# KiCad board ZSWatch-panelized.kicad_pcb (continued)
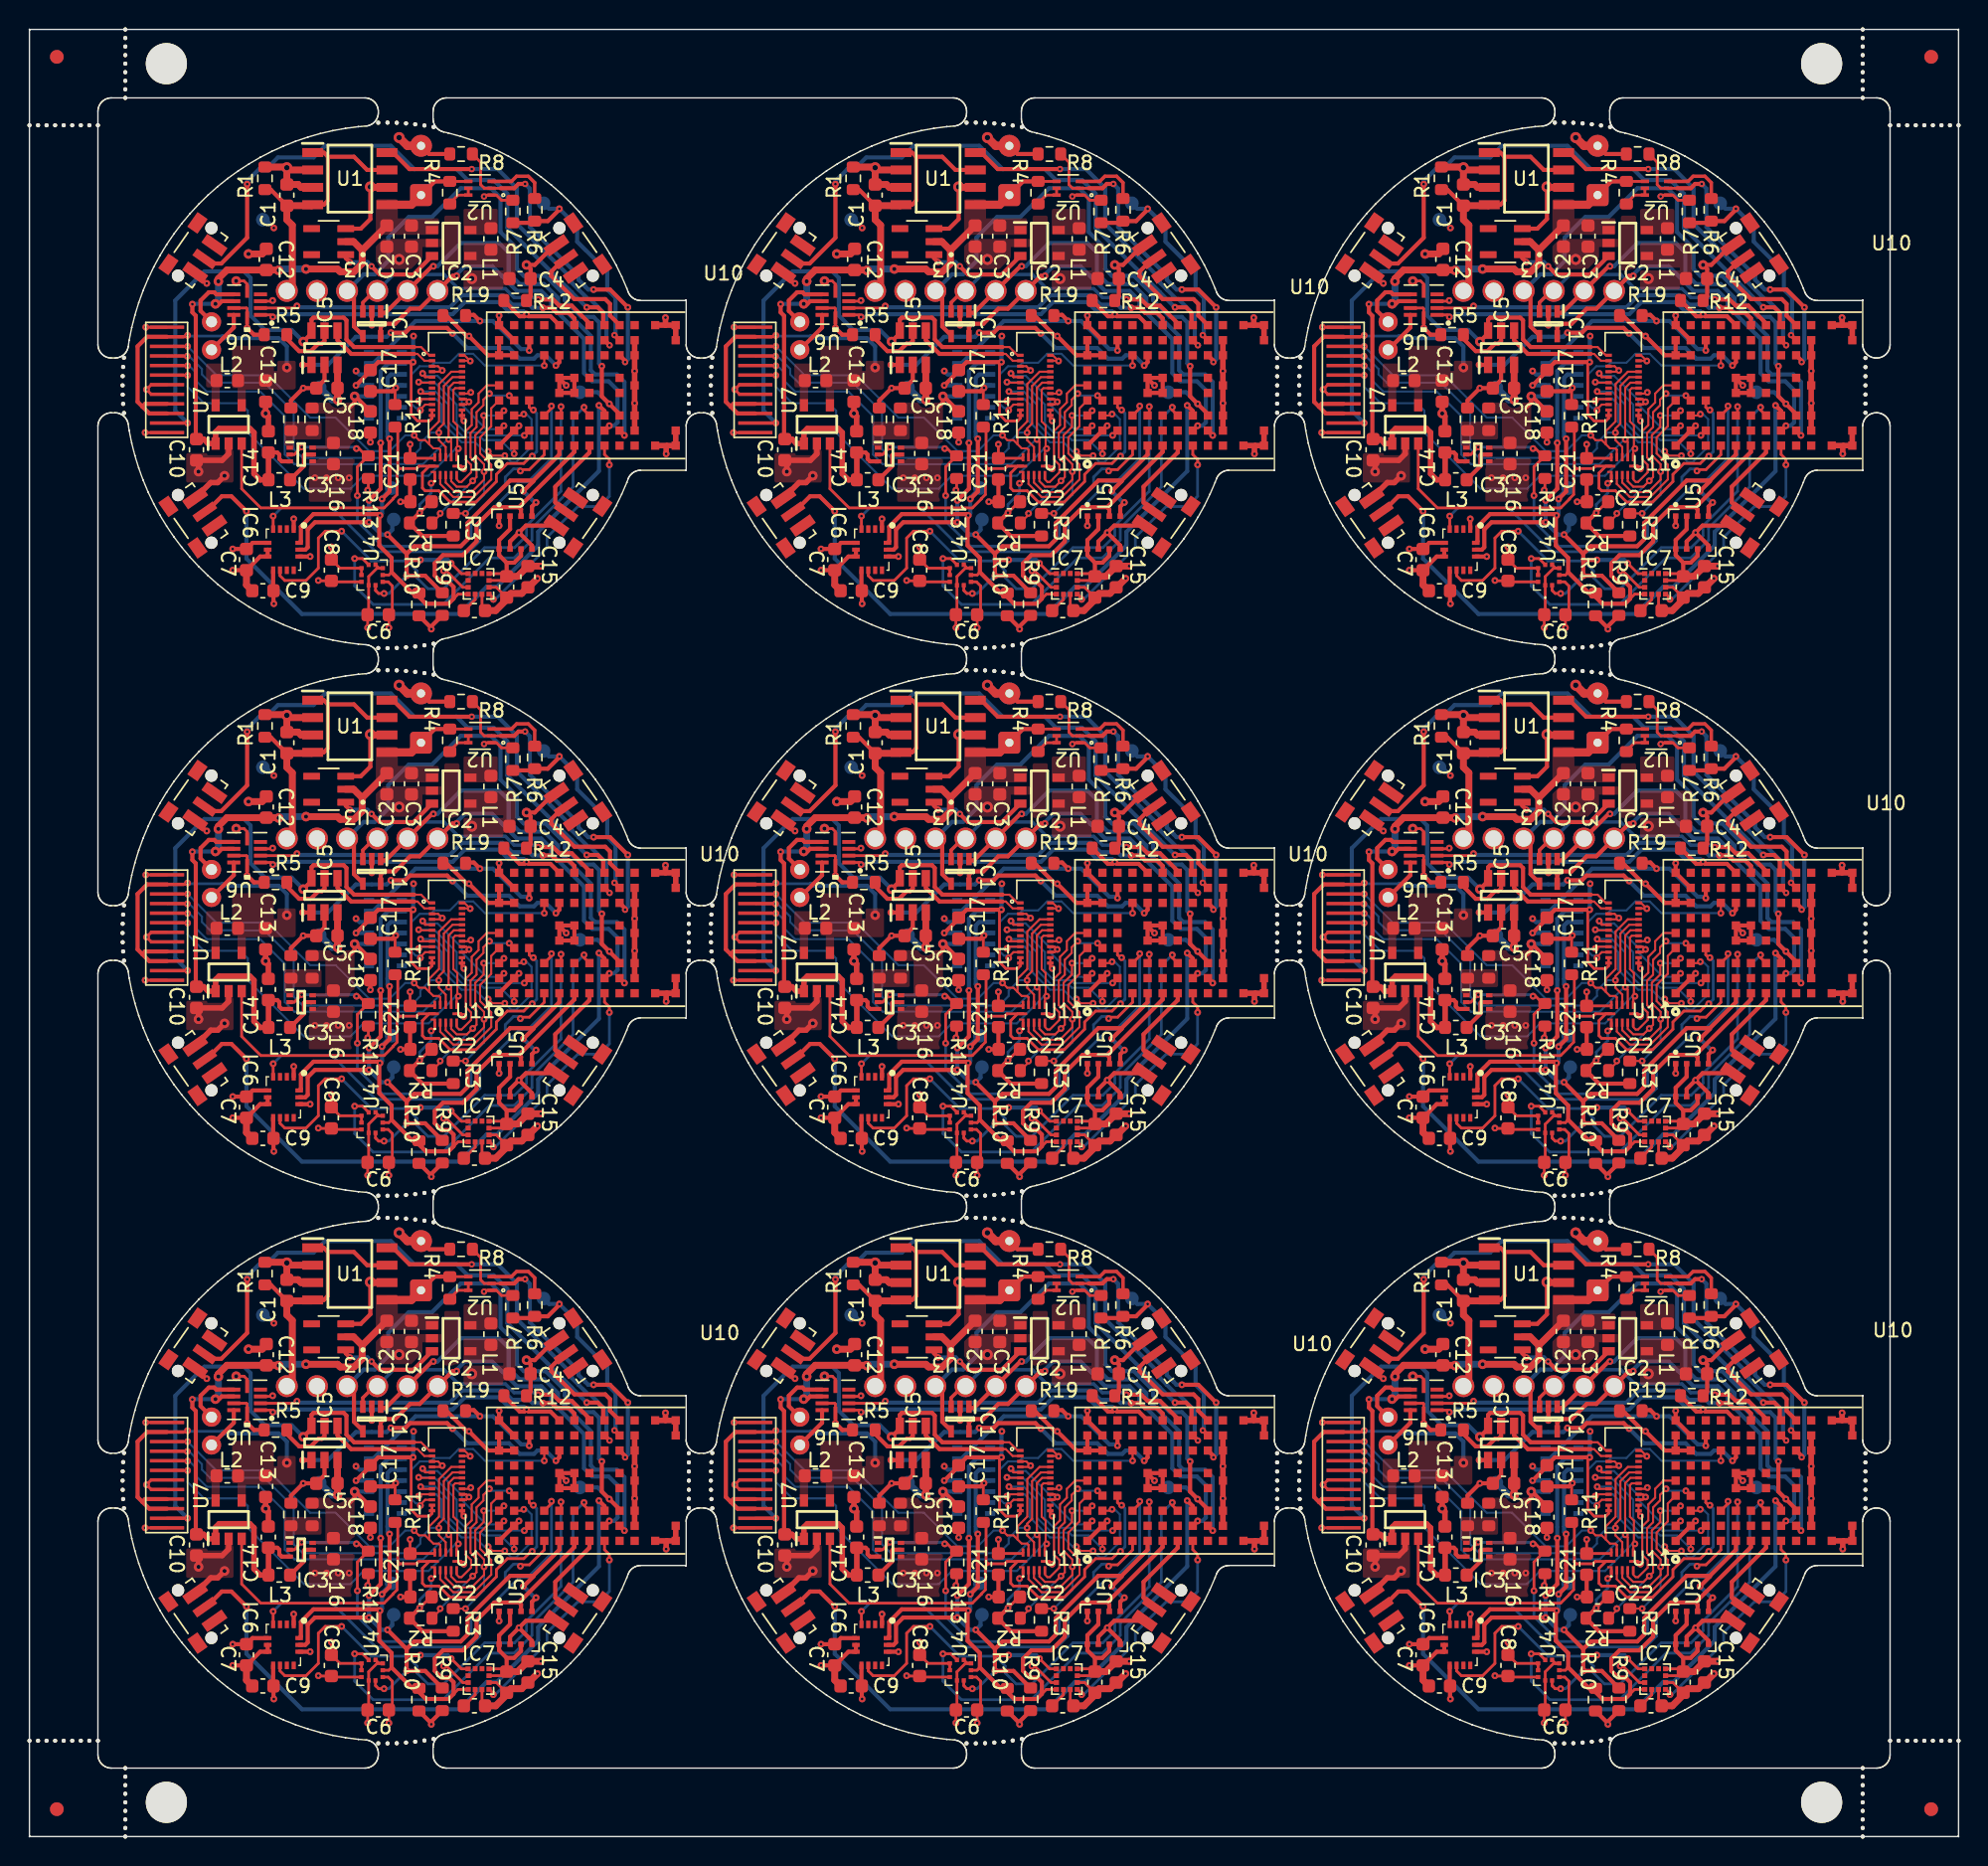
[diagram p0: board, top side]
## Routing (per net, layer and track width the routed paths; a pad name or vN(x,y) marks a point on that pad's centre or on a via; arc(x,y) is an arc through that point) (continued)
Board_2-+1V8: length 64
  Top w0.2: U4#8.10 108.04,91.65 C8.2 107.04,91.72 v1(107.02,91.75) ; 119.52,92.25 120.57,92.25 C19#6.2 120.47,91.75 119.52,91.75 ; 115.32,104.18 U13#3.12 115.32,103.6 115.12,103.4 114.27,103.4 113.8,103.87 113.8,107.56 v1(113.94,107.7) ; v1(116.17,92.45) 116.37,92.45 117.57,91.25 117.92,91.25 ; v1(115.26,98.85) 115.37,98.85 115.52,99 U11#7.1 ; U4#8.6 111.44,92.65 U4#8.5 111.3,92.65 110.69,92.04 U4#8.1 110.69,89.32 C6#8.1 v1(110.62,88.3) ; C22#5.2 115.22,97.5 v1(114.42,96.7)
  Top w0.3: v1(103.77,90.05) 103.74,90.07 C9#5.2 103.72,91.02 IC6#4.8 ; v1(113.94,107.7) 111.39,107.7 C17#4.2 110.82,107.05 v1(109.77,106) ; R3.2 114.62,95 R2#9.2 v1(114.42,96.7) ; U5#7.6 121.82,93.55 121.32,93.05 120.77,93.05 ; IC6#4.5 102.22,94.5 C7#9.1 v1(100.77,94.05) ; R10#3.2 115.27,88.27 v1(115.27,88.2) 115.27,88.4 R9#7.2 ; 120.77,93.05 C19#6.2 ; 120.77,93.05 120.22,93.6 U5#7.8 120.22,94.7 121.02,95.5 U5#7.2 ; U10#4.A8 U10#4.A7 ; U10#4.A7 119.42,108.2 v1(118.02,109.6) 117.87,109.6 116.37,111.1 R19#7.1 116.37,111.1 ; U10#4.A7 U10#4.B7 ; IC6#4.12 v1(106.42,93.5)
  Top w0.5: C19#6.2 121.57,92.05 C15#8.1 v1(123.27,92.8)
  Bottom w0.2: v1(114.42,96.7) 114.42,97.3 115.26,98.14 v1(115.26,98.85)
  Bottom w0.3: v1(113.94,107.7) 113.94,109.57 v1(113.97,109.6) ; v1(109.77,106) IC4#4.11 ; TP8#2.1 103.17,118.1 v1(103.77,117.5)
  vias: v2(118.22,113.8)
Board_2-+5V: length 5
  Top w0.3: C18#9.1 109.72,105.2 v3(109.67,105.2) 109.67,104.75 109.32,104.4
  Bottom w0.3: IC4#4.9 110.47,104.4 v3(109.67,105.2) IC4#4.10
Board_2-/C1: length 1.6
  Top w0.2: C11#3.1 117.67,89.55 118.47,90.35 118.47,90.75
Board_2-/D2: length 4.7
  Top w0.25: R6#5.1 122.82,120.81 122.35,121.28 121.49,121.28 121.12,120.9 U2#9.3
Board_2-/G2: length 2.2
  Top w0.2: R4#5.2 116.62,119.3 117.22,119.9 U2#9.6 U2#9.5
Board_2-/ISET: length 4.5
  Top w0.3: IC5#8.5 107.47,109.25 107.27,109.05 107.02,109.05 106.47,108.5 105.62,108.5 104.72,109.4 R5#9.2
Board_2-/MOTOR_OUT+: length 3.2
  Top w0.3: U6.9 100.84,110.22 M1#6.1
Board_2-/MOTOR_OUT-: length 4.6
  Top w0.3: M1#6.2 98.42,111.44 98.42,112.2 99.02,112.8 99.42,112.8 99.57,112.65 U6.6
Board_2-/SW: length 2.9
  Top w0.3: IC3#3.5 106.02,100.95 105.97,100.9 105.97,100.11 L3.2
Board_2-/TOUCH_HIGH_INT-DC: length 31.4
  Top w0.15: v1(114.02,102.35) 114.37,102 114.82,102 115.12,101.7 ; U11#7.10 115.92,101.3 ; 115.92,101.3 115.82,101.4 115.42,101.4 115.12,101.7 ; 115.92,101.3 115.89,101.32 ; 115.12,101.7 115.12,102.66 115.83,103.37 115.83,106.1 116.72,107 U13#3.21 ; v1(97.47,108.85) U12#4.10
  Bottom w0.15: v1(97.47,108.85) 97.47,108.85 99.57,106.75 103.32,106.75 106.42,103.65 108.28,103.65 110.73,101.2 112.22,101.2 113.37,102.35 v1(114.02,102.35)
Board_2-/TOUCH_HIGH_RST-SDA: length 33
  Top w0.15: v1(117.24,101.38) 117.12,101.26 U11#7.7 ; 97.45,106.75 U12#4.7 ; U13#3.18 117.01,105.8 116.88,105.67 116.88,103.36 117.17,103.07 117.17,101.46
  Bottom w0.15: v1(97.47,106.73) 97.47,105.9 98.67,104.7 101.32,104.7 101.87,104.15 101.87,102.55 105.97,98.45 109.37,98.45 110.32,99.4 115.07,99.4 117.05,101.38 v1(117.24,101.38)
Board_2-/TOUCH_HIGH_SCL-CS: length 32.9
  Top w0.15: v1(97.45,108.13) 95.99,108.13 U12#4.9 ; U13#3.20 116.82,106.6 116.18,105.96 116.18,103.21 115.82,102.85 v1(115.82,102.55) 115.82,102 116.32,101.5 U11#7.9
  Bottom w0.15: v1(97.45,108.13) 97.59,108.13 98.52,107.2 98.52,106.8 99.12,106.2 103.07,106.2 105.22,104.05 105.22,101.35 105.87,100.7 113.77,100.7 114.47,101.4 114.47,101.79 115.22,102.55 v1(115.82,102.55)
Board_2-/TOUCH_HIGH_SDA-SCL: length 32.6
  Top w0.15: v1(97.47,107.43) 97.45,107.45 U12#4.8 ; U13#3.19 116.91,106.2 116.53,105.81 116.53,102.06 v1(116.54,102.05) 116.72,101.87 U11#7.8
  Bottom w0.15: v1(116.54,102.05) 116.46,102.05 114.67,100.25 105.27,100.25 104.57,100.95 104.57,103.75 102.77,105.55 98.87,105.55 98.07,106.35 98.07,106.95 97.59,107.43 v1(97.47,107.43)
Board_2-/~{RESET_BAT_SUP}: length 7.6
  Top w0.3: U3#3.1 109.02,115.3 v4(109.32,115) ; v4(110.9,114.7) 111.5,114.1 113.97,114.1 IC2#2.3
  Bottom w0.3: v4(109.32,115) 110.6,115 v4(110.9,114.7)
Board_2-BAT_MON: length 16.5
  Top w0.3: v1(124.62,118.9) 124.62,118.85 123.77,118 R6#5.2 ; v4(128.64,109.67) U10#4.J8 ; R7#7.1 122.69,117.87
  Bottom w0.3: TP3#9.1 123.87,118.9 v1(124.62,118.9) 125.92,117.6 125.92,116.5 128.12,114.3 128.12,113 128.72,112.4 128.72,109.75 v4(128.64,109.67)
Board_2-BAT_MON_EN: length 23.8
  Top w0.2: R8#2.2 118.87,122.3 118.87,120.67 119.14,120.4 U2#9.2 120.32,120.4
  Top w0.3: 120.32,120.4 121.32,120.4 121.63,120.72 v4(122.12,120.72) ; v1(127.12,113) 128.32,113 v1(129.62,111.7) ; v4(129.42,107.7) 129.42,107.8 U10#4.J7
  Bottom w0.3: v1(127.12,113) 126.72,113 126.52,113.21 126.52,113.21 126.02,113.71 126.02,114.01 122.46,117.56 122.46,120.37 v4(122.12,120.72) ; v1(129.62,111.7) 129.62,107.9 v4(129.42,107.7)
Board_2-BMP581_INT: length 30.7
  Top w0.2: U4#8.7 110.24,93.35 v1(109.67,93.35) ; U10#4.G3 126.42,104.2 v1(126.42,104.4)
  Bottom w0.2: v1(126.42,104.4) 125.62,103.6 125.62,98.58 122.62,95.58 122.62,94.7 121.32,93.4 119.52,93.4 116.12,90 111.02,90 109.67,91.35 v1(109.67,93.35)
Board_2-BTN_1: length 45.4
  Top w0.3: v1(101.77,96.8) 100.67,97.9 99.97,97.9 98.83,96.77 S1#5.2 ; v1(127.51,104.54) 127.91,104.13 U10#4.H3
  Bottom w0.3: v1(101.77,96.8) 101.77,93.35 105.82,89.3 117.32,89.3 119.32,91.3 120.07,91.3 123.07,94.3 123.07,95.3 127.51,99.74 v1(127.51,104.54)
Board_2-BTN_2: length 8.8
  Top w0.3: U10#4.J9 128.32,111.1 128.32,111.95 127.97,112.3 125.72,112.3 124.02,114 124.02,114.3 124.95,115.23 S2#7.2
Board_2-BTN_3: length 42.5
  Top w0.3: v1(101.82,120.7) 101.82,116.79 99.93,114.9 99.06,114.9 S3#3.2 ; 127.82,110.5 127.82,111.3 127.42,111.7 v1(126.62,111.7)
  Bottom w0.3: v1(126.62,111.7) 126.61,111.7 125.52,112.79 125.52,112.8 122.02,116.3 122.02,116.31 120.82,117.51 120.82,120 119.82,121 117.92,121 117.12,121.8 114.02,121.8 112.32,123.5 107.52,123.5 106.67,122.65 104.07,122.65 103.22,121.8 102.7,121.8 101.82,120.92 v1(101.82,120.7)
Board_2-BTN_4: length 6.3
  Top w0.3: U10#4.G1 126.81,101.1 124.32,98.6 124.32,97.45 125,96.77 S4#9.2
Board_2-CHG: length 25.5
  Top w0.3: U1#9.8 112.47,123 113.67,121.8 v4(118.22,121.8) ; U10#4.H8 v4(128.29,108.93)
  Bottom w0.3: v4(118.22,121.8) 120.12,121.8 121.52,120.4 121.52,117.8 125.52,113.8 125.52,113.51 126.02,113.01 126.02,113 126.72,112.3 126.87,112.3 128.06,111.11 128.06,109.16 v4(128.29,108.93)
Board_2-DISPLAY_3V3: length 31.5
  Top w0.15: U13#3.23 118.09,107.8 v1(118.11,107.78) 117.69,108.2 U13#3.24 ; U13#3.14 U13#3.13 ; v1(118.15,105.49) 118.06,105.4 U13#3.17 ; 117.51,103.55 v1(117.65,103.41)
  Top w0.2: v1(113.72,101.7) C21#8.2 115.44,100.67 U11#7.11 ; U13#3.13 117.51,103.55 ; U12#4.11 97.37,109.55 v1(97.47,109.65)
  Top w0.3: U12#4.3 94.67,103.95 94.17,104.45 ; 94.17,104.45 93.82,104.8 93.82,108.85 94.52,109.55 U12#4.11 ; 94.17,104.45 94.37,104.65 U12#4.4
  Top w0.5: v3(108.42,104.95) C5#8.2 IC5#8.3
  Bottom w0.2: 100.02,109.6 97.52,109.6 v1(97.47,109.65)
  Bottom w0.3: 100.02,109.6 100.17,109.45 104.12,109.45 104.72,108.85 v3(104.72,107.3)
  Bottom w0.5: v3(108.42,104.95) 108.02,104.95 TP11#4.1
Board_2-DISPLAY_BLK: length 22.5
  Top w0.3: v1(124.37,107.45) 124.62,107.7 124.62,108.2 U10#4.E7 ; v1(112.32,109.85) 113.37,109.85 113.72,110.2 116.42,110.2 v1(116.82,109.8) ; IC5#8.1 v1(105.87,107.5)
  Bottom w0.3: v1(124.37,107.45) 123.62,108.2 123.02,108.2 122.77,107.95 121.72,107.95 120.94,108.73 117.89,108.73 v1(116.82,109.8) ; v1(112.32,109.85) 112.02,109.55 109.77,109.55 107.72,107.5 v1(105.87,107.5)
Board_2-DISPLAY_CLK: length 11
  Top w0.15: U10#4.B1 121.32,101.6 v1(121.32,101) ; v1(114.49,105.55) 114.64,105.4 U13#3.8
  Bottom w0.15: v1(121.32,101) 120.32,102 119.09,102 118.88,102.2 117.62,102.2 116.52,103.3 116.52,104.6 115.56,105.55 v1(114.49,105.55)
Board_2-DISPLAY_CS: length 15.9
  Top w0.15: v1(122.02,103.9) 121.92,103.8 U10#4.B3 ; v1(114.35,104.87) 114.48,105 U13#3.9 ; v1(119.42,101.18) 119.73,100.87 v1(120.63,100.87)
  Bottom w0.15: v1(122.02,103.9) 122.22,103.9 122.59,103.53 122.59,101.53 121.46,100.4 121.1,100.4 v1(120.63,100.87) ; v1(114.35,104.87) 114.48,105 115.62,105 116.02,104.6 116.02,103.31 117.48,101.85 118.47,101.85 119.14,101.18 v1(119.42,101.18)
Board_2-DISPLAY_DATA: length 11.6
  Top w0.15: v1(114.34,106.24) 114.38,106.2 U13#3.6 ; v1(122.06,102.35) U10#4.C2
  Bottom w0.15: v1(114.34,106.24) 115.48,106.24 117.12,104.6 117.12,103.2 117.77,102.55 119.03,102.55 119.23,102.35 v1(122.06,102.35)
Board_2-DISPLAY_DC: length 9.3
  Top w0.15: v1(120.57,103.05) U10#4.A2 ; U13#3.5 114.82,106.6 114.81,106.61 114.81,106.7 v1(114.63,106.87)
  Bottom w0.15: v1(120.57,103.05) 120.31,102.8 119.27,102.8 117.49,104.58 117.49,104.92 115.72,106.7 114.75,106.7 114.63,106.81 v1(114.63,106.87)
Board_2-DISPLAY_EN: length 40.3
  Top w0.2: v1(122.63,100.83) 122.55,100.83 122.02,100.3 120.82,100.3 120.02,99.5 120.02,98.97 118.52,97.47 116.64,97.47 115.82,98.3 114.82,98.3 114.62,98.5 114.62,99.6 115.12,100.1 U11#7.12 114.36,100.1 114.18,99.92 112.94,99.92 ; U7#3.3 101.42,98.45 102.82,97.05 111.82,97.05 112.47,97.7 112.47,97.73 112.77,98.03 112.77,99.75 112.94,99.92 ; 112.94,99.92 112.82,100.05 112.82,102.75 R11#4.1 ; U10#4.C4 122.41,104.4 122.62,104.2 v1(122.72,104.2)
  Bottom w0.2: v1(122.72,104.2) 122.96,103.96 122.96,101.16 v1(122.63,100.83)
Board_2-DISPLAY_RST: length 15.5
  Top w0.15: U10#4.D7 123.52,108.2 v1(123.52,107.45) ; U13#3.10 114.82,104.6 114.56,104.34 114.56,104.27 v1(114.47,104.18)
  Bottom w0.15: v1(123.52,107.45) 119.18,107.45 118.32,108.3 117.27,108.3 116.62,107.65 115.47,107.65 115.22,107.4 114.42,107.4 113.82,106.8 113.82,104.65 114.13,104.34 114.31,104.34 v1(114.47,104.18)
Board_2-DRV_VIB_EN: length 25.2
  Top w0.2: U6.1 103.54,111.15 v1(103.69,111)
  Top w0.3: R12#7.1 121.72,111.05 122.07,111.05 v1(122.22,111.2) 122.37,111.05 123.96,111.05 U10#4.E9
  Bottom w0.3: v1(122.22,111.2) 122.02,111.4 120.9,111.4 120.22,112.09 117.71,112.09 116.82,111.2 104.22,111.2 104.02,111 v1(103.69,111)
Board_2-DRV_VIB_PWM: length 24.6
  Top w0.2: U6.2 105.31,111.65 v1(105.46,111.8)
  Top w0.3: v1(123.42,111.66) 124.06,111.66 124.42,111.3 125.32,111.3 125.71,110.9 U10#4.F9
  Bottom w0.3: v1(105.46,111.8) 105.56,111.7 116.62,111.7 117.5,112.59 120.48,112.59 121.17,111.9 122.42,111.9 122.65,111.66 v1(123.42,111.66)
Board_2-GND: length 117.3
  Top w0.15: U13#3.4 115.97,107 v1(116.07,107.09) 115.76,107.4 U13#3.3 ; U13#3.16 117.82,105 v1(118.02,104.8) 117.82,104.6 U13#3.15
  Top w0.2: U4#8.3 112.12,91.65 112.42,91.35 112.42,89.5 C6#8.2 v1(112.17,88.3) ; v1(110.62,98.35) 110.67,98.4 R13#6.2 ; U6.3 103.63,112.15 v1(103.68,112.2) ; 118.97,90.75 118.97,89.77 C11#3.2 ; C19#6.1 120.02,91.25 119.52,91.25 ; U12#4.5 94.82,105.35 v1(94.47,105.7) 94.82,106.05 U12#4.6 ; U6.5 101.82,113.4 101.59,113.63 v3(101.02,113.63) ; U4#8.9 U4#8.8 108.59,92.65 C8.1 v1(107.97,94.2) ; v4(119.12,119.8) 119.22,119.9 U2#9.1 120.02,119.9 120.39,119.52 R7#7.2 ; U6.8 101.77,111.65 101.82,111.6 U6.10 v1(101.82,110.2) ; U12#4.1 v1(94.37,102.55) ; R11#4.2 112.62,105.77 v1(112.67,105.82) ; U11#7.6 117.44,100.1 v1(117.64,99.9) ; U12#4.12 v1(94.42,110.25)
  Top w0.3: v1(121.67,95.25) 122.62,94.3 U5#7.5 ; v1(121.67,95.25) 121.02,94.6 U5#7.7 ; v1(121.67,95.25) 122.18,95.76 S4#9.1 ; v1(125.12,106) 124.61,106.5 U10#4.E5 ; U3#3.3 110.12,117.45 110.82,118.15 v2(110.82,120.5) ; v1(98.87,113.45) 98.8,113.45 S3#3.3 ; 110.92,111.3 v1(110.92,110.4) ; R12#7.2 122.52,112.5 C4#3.2 122.52,114.5 v3(122.22,114.8) 122.82,114.8 124.26,116.24 S2#7.3 ; v1(100.77,92.5) C7#9.2 102.77,93.5 IC6#4.7 IC6#4.6 ; IC6#4.1 v1(105.22,96.25) ; v1(113.02,97.5) C22#5.1 113.72,97.52 C21#8.1 ; U10#4.E5 U10#4.F5 U10#4.F4 U10#4.E4 U10#4.E5 ; C18#9.2 v1(110.82,101.85) ; v1(101.82,110.2) 102.32,109.7 R5#9.1 ; v1(112.67,105.82) 112.42,105.57 C17#4.1 ; BT1#4.2 115.12,122.9 R8#2.1 ; U10#4.A1 U10#4.B2 v1(121.67,103.05) ; U10#4.B8 U10#4.A9 120.21,111.1 v1(120.22,111.1) ; U5#7.1 v1(120.22,95.75) ; IC5#8.2 107.47,106.4 C5#8.1 v1(105.92,105.8) 105.02,104.9 R18#6.1
  Top w0.4: 132.47,101.6 132.42,101.55 v1(132.42,101) ; 132.47,101.6 U10#4.M1 U10#4.M2 ; 132.47,101.6 U10#4.L1 ; v3(100.17,99.4) 99.67,98.9 99.15,98.9 S1#5.1 ; 132.37,110.4 v1(132.37,110.95) ; 132.37,110.4 U10#4.L9 ; 132.37,110.4 U10#4.M9 U10#4.M8 ; U10#4.K8 U10#4.K7 v1(130.11,107.05) U10#4.K5 130.11,104.7 v1(130.12,104.7) 130.11,104.7 U10#4.K3 U10#4.K2 ; v3(98.27,99.7) 98.27,100.52 99.99,100.52 100.47,101 U7#3.2 ; C14#7.2 103.37,103.75 v3(103.17,103.95) C13#3.2
  Top w0.5: C11#3.2 119.97,89.55 120.77,90.35 C19#6.1 121.07,90.8 121.87,90.8 C15#8.2 122.37,91.25 v1(123.02,91.9) ; v2(104.72,121.9) 104.88,121.73 U1#9.2 ; v2(104.72,121.9) C1#4.2 105.54,120.67 105.75,120.46 U1#9.3 ; v2(104.72,121.9) 104.67,121.95 R1#6.2 ; C9#5.1 101.77,91.42 C7#9.2 ; U1#9.6 110.85,120.46 v2(110.82,120.5) ; v3(101.92,115.6) 102.92,115.6 103.22,115.9 C12#6.1
  Top w0.6: BT1#4.2 113.52,123.5 v2(112.92,124.1)
  Bottom w0.3: v1(109.77,107.05) 110.02,106.8 IC4#4.12 ; v1(112.67,105.82) 112.85,106 IC4#4.4
  vias: v1(106.77,99.25) v1(107.62,99.25) v1(108.47,99.25) v1(109.27,99.25) v2(112.92,115.2)
Board_2-INT1_LIS: length 31.2
  Top w0.2: U10#4.D3 124.04,104.32 v1(124.04,104.49) ; IC6#4.4 v1(103.72,96.45)
  Bottom w0.2: v1(124.04,104.49) 124.04,100.67 122.32,98.95 121.72,98.95 118.82,96.05 118.82,94.65 118.02,93.85 111.22,93.85 108.02,97.05 104.32,97.05 v1(103.72,96.45)
Board_2-INT2_LIS: length 36.1
  Top w0.2: v1(108.72,95.35) 107.52,95.35 107.02,94.85 107.02,92.65 106.12,91.75 104.57,91.75 104.22,92.1 IC6#4.9 ; v1(124.74,104.45) 124.74,103.92 U10#4.E3
  Bottom w0.2: v1(124.74,104.45) 124.74,98.27 122.22,95.75 122.22,95.02 121.34,94.15 119.17,94.15 116.17,91.15 115.02,91.15 114.22,91.95 114.22,92.45 113.49,93.17 110.89,93.17 v1(108.72,95.35)
Board_2-LEDK1: length 37.5
  Top w0.15: U13#3.1 115.12,108.2 114.52,108.8 114.02,108.8
  Top w0.2: U12#4.2 v1(97.47,103.25)
  Top w0.3: 114.02,108.8 109.62,108.8 109.07,109.35 109.07,110.75 108.87,110.95 106.67,110.95 106.52,110.8 IC5#8.6 106.52,109.8 v3(105.92,109.2)
  Bottom w0.3: v1(97.47,103.25) 96.57,104.15 96.57,112.2 98.69,114.33 101.59,114.33 102.07,113.85 102.07,111.1 103.12,110.05 105.07,110.05 v3(105.92,109.2)
Board_2-LEDK2: length 8.2
  Top w0.15: U13#3.2 114.76,107.8 114.26,108.3 114.02,108.3
  Top w0.3: IC5#8.4 108.42,109.3 109.42,108.3 114.02,108.3
Board_2-LIS2MDL_INT: length 16.4
  Top w0.2: v1(128.27,100.2) 128.27,100.6 127.91,100.95 U10#4.H1 ; 119.52,90.75 119.8,90.47 v1(119.8,90.37)
  Bottom w0.2: v1(128.27,100.2) 128.27,97.9 127.52,97.15 125.97,97.15 123.72,94.9 123.72,94.15 119.94,90.37 v1(119.8,90.37)
Board_2-MAX30_INT: length 15.9
  Top w0.3: U10#4.C8 122.42,109.3 v1(122.42,108.55) ; 117.77,111.15 118.37,111.15 v1(118.82,110.7)
  Bottom w0.3: IC4#4.13 111.02,107.6 114.12,110.7 v1(118.82,110.7) 119.77,110.7 121.82,108.65 122.32,108.65 v1(122.42,108.55)
Board_2-RESET_N: length 42.1
  Top w0.3: U10#4.J3 129.01,103.9 v1(128.27,104.65) 127.72,105.2 v1(127.72,107.4) ; 110.27,109.65 109.62,110.3 109.62,112.4
  Bottom w0.3: TP12#6.1 127.42,105.5 v1(128.27,104.65) ; v1(127.72,107.4) 127.52,107.6 127.52,110.6 127.12,111 126.23,111 125.02,112.21 125.02,112.59 123.61,114 122.02,114 121.52,114.5 121.52,116 120.32,117.2 120.32,119.7 119.62,120.4 117.42,120.4 115.32,118.3 113.62,118.3 112.12,116.8 112.12,115.09 111.14,114.11 110.33,114.11 J2#3.4
Board_2-SCL_ANNA: length 56.6
  Top w0.2: 117.92,92.25 117.47,92.25 v1(116.72,93) ; U4#8.2 111.19,91.02 111.42,90.8 v1(111.82,90.8)
  Top w0.3: IC6#4.13 106.07,94 106.24,94.17 106.24,95.47 106.77,96 v1(110.72,96) ; v1(111.57,101.8) 111.57,98.45 v1(110.72,97.6) ; v1(121.99,98.27) 122.72,99 122.72,99.05 ; 113.47,93.7 113.47,93.25 ; 113.47,93.7 114.02,94.25 117.41,94.25 117.92,94.76 117.92,95.95 121.02,99.05 122.72,99.05 ; 113.47,93.7 v1(112.07,95.1) ; 113.47,93.25 114.47,93.25 v1(114.47,93.25) ; 113.47,93.25 v1(113.47,92.1) 114.82,92.1 R9#7.1 ; 122.72,99.05 124.61,100.95 U10#4.E1 ; v1(122.92,97.45) 122.62,97.15 U5#7.4
  Bottom w0.2: v1(111.82,90.8) 112.17,90.8 v1(113.47,92.1)
  Bottom w0.3: v1(111.57,101.8) 111.57,107.05 112.12,107.6 IC4#4.2 ; v1(110.72,97.6) v1(110.72,96) 111.62,95.1 v1(112.07,95.1) 112.42,95.45 112.42,96.2 ; v1(122.92,97.45) 122.82,97.45 v1(121.99,98.27) ; v1(116.72,93) 116.47,93.25 v1(114.47,93.25)
Board_2-SDA_ANNA: length 51.2
  Top w0.2: 116.89,90.42 117.22,90.75 117.92,90.75 ; 112.37,92.35 112.17,92.15 U4#8.4
  Top w0.3: 121.67,97.1 125.71,101.15 U10#4.F1 ; 121.67,97.1 121.82,96.95 U5#7.3 ; 121.67,97.1 119.87,97.1 118.57,95.8 118.57,94.6 117.57,93.6 116.12,93.6 115.52,93 115.52,92.11 116.02,91.6 116.57,91.6 116.89,91.28 116.89,90.42 116.52,90.05 114.87,90.05 114.37,90.55 R10#3.1 113.89,90.82 112.37,92.35 112.37,93.4 111.47,94.3 111.47,96.45 v1(111.52,96.5) 111.42,96.6 106.66,96.6 105.74,95.68 105.74,94.62 IC6#4.14 ; v1(111.67,97.7) 112.22,98.25 v1(112.22,102.1)
  Bottom w0.3: IC4#4.3 112.32,106.8 112.07,106.55 112.07,102.25 v1(112.22,102.1) ; TP10#3.1 111.67,97.8 v1(111.67,97.7) 111.67,96.65 v1(111.52,96.5)
Board_2-SWDCLK: length 31.1
  Top w0.3: v1(129.37,102.35) U10#4.J2 ; v1(115.42,114.7) 115.32,114.7 J2#3.2 111.92,111.3 111.57,111.3
  Bottom w0.3: v1(115.42,114.7) 115.72,114.7 117.42,116.4 120.22,116.4 120.92,115.7 120.92,114.2 121.72,113.4 123.5,113.4 124.52,112.39 124.52,112.01 126.92,109.61 126.92,107.1 127.22,106.8 128.82,106.8 129.37,106.25 v1(129.37,102.35)
Board_2-SWDIO: length 28.9
  Top w0.3: v1(117.12,114) 116.82,114 J2#3.1 114.42,111.6 113.72,111.6 112.62,110.5 111.82,110.5 111.57,110.25 111.57,109.5 ; v1(128.27,103.05) U10#4.H2
  Bottom w0.3: v1(117.12,114) 117.12,114.1 117.72,114.7 119.72,114.7 120.42,114 120.42,113.99 121.51,112.9 123.3,112.9 124.02,112.18 124.02,111.8 126.42,109.4 126.42,106.89 127.01,106.3 128.22,106.3 128.87,105.65 128.87,103.3 128.62,103.05 v1(128.27,103.05)
Board_2-TOUCH_INT: length 12
  Top w0.15: U10#4.A4 119.64,104.32 119.64,103.02 118.83,102.2 118.83,101.02 119.64,100.21 119.64,99.13 118.36,97.85 116.87,97.85 115.92,98.8 U11#7.2
Board_2-TOUCH_RST: length 9.5
  Top w0.15: U10#4.A5 119.32,106 118.72,105.4 118.72,104.76 118.22,104.26 118.22,103.1 117.78,102.66 117.78,100.59 118.17,100.2 118.17,99.64 117.47,98.95 117.3,98.95 117.12,99.13
Board_2-TOUCH_SCL: length 15.9
  Top w0.15: v1(117.77,96.65) R3.1 ; v1(120.57,104.15) U10#4.A3 ; v1(119.09,103.8) 119.09,102.97 118.48,102.36 118.48,100.88 119.12,100.24 v1(119.12,99.7) 119.12,99.11 118.21,98.2 117.02,98.2 116.32,98.9 U11#7.3
  Bottom w0.15: v1(117.77,96.65) 119.12,98 v1(119.12,99.7) ; v1(119.09,103.8) U10#4.A3 v1(120.57,104.15)
Board_2-TOUCH_SDA: length 15.9
  Top w0.15: v1(119.51,105.4) 119.07,104.96 119.07,104.55 118.57,104.04 118.57,102.95 118.13,102.51 118.13,100.73 118.57,100.29 118.57,99.3 118.29,99.03 v1(118.29,99.03) 117.87,98.6 117.87,98.6 117.12,98.6 116.72,99 U11#7.4 ; R2#9.1 115.92,96.55 v1(115.92,96.65) ; v1(120.96,105.25) U10#4.B4
  Bottom w0.15: v1(115.92,96.65) 115.92,96.65 v1(118.29,99.03) ; v1(120.96,105.25) 119.66,105.25 v1(119.51,105.4)
Board_2-UART_TX: length 19.7
  Top w0.25: J2#3.3 111.12,112.9 110.27,112.05 IC1#8.3
  Top w0.3: U10#4.G9 126.81,110.53 125.52,111.82 124.6,111.82 124.15,112.27 v1(123.07,112.27)
  Bottom w0.25: v1(123.07,112.27) 122.93,112.42 121.32,112.42 120.68,113.06 117.24,113.06 116.2,114.1 112.52,114.1 J2#3.3
Board_2-V_BAT: length 51.5
  Top w0.2: U2#9.4 R4#5.1
  Top w0.3: U6.7 99.97,112.15 99.77,111.95 v3(99.5,111.95) ; BT1#4.1 115.52,120.9 R4#5.1 ; IC3#3.3 104.34,100.45 104.17,100.62 104.17,100.95 104.02,101.1 C14#7.1 ; 98.32,102.12 98.27,102.07 98.07,102.27 98.07,111.08 97.82,111.33 v1(97.82,111.93)
  Top w0.4: 98.27,102.07 98.64,102.07 98.97,101.75 U7#3.1 99.52,102.6 99.77,102.85 102.02,102.85 102.32,102.55 102.32,99.55 102.77,99.1 L3.1 103.38,101.09 C14#7.1
  Top w0.5: v3(106.12,114.5) 108.42,114.5 108.62,114.3 109.62,114.3 110.22,114.9 110.22,115.87 ; C2#2.2 110.22,115.87 ; 110.22,115.87 109.59,116.5 U3#3.2 ; v3(99.72,113.6) 99.72,113.8 100.34,114.42 C12#6.2 104.09,114.42 v3(104.12,114.4)
  Top w0.6: BT1#4.1 113.81,119.19 U1#9.5
  Bottom w0.3: v1(97.82,111.93) 97.84,111.95 v3(99.5,111.95)
  Bottom w0.5: v3(106.12,114.5) 104.22,114.5 v3(104.12,114.4) ; v3(99.72,113.6) 99.72,112.17 v3(99.5,111.95)
Board_2-VBUS: length 20.9
  Top w0.3: U1#9.4 107.41,119.19 107.72,119.5 107.72,122.7 ; 107.72,122.7 107.41,123 U1#9.1 ; 107.72,122.7 109.62,122.7 110.58,121.73 U1#9.7 ; R1#6.1 103.54,120.3 C1#4.1
  Top w0.5: J2#3.6 105.12,113.3 105.12,117.7 104.72,118.1 C1#4.1 106.53,119.12 U1#9.4
Board_3-5V_REG_EN: length 30.3
  Top w0.2: v1(35.85,59.75) 35.95,59.85 36.51,59.85 37.59,60.93 U10#8.D1 ; v1(23.95,57.95) 23.95,60.05 R13#7.1 ; IC3#2.2 19.34,60.95 v4(19.88,61.49) ; v1(23.88,61.38) 24.06,61.38 24.65,60.8
  Bottom w0.2: v4(19.88,61.49) 23.77,61.49 v1(23.88,61.38) ; v1(23.95,57.95) 23.95,56.07 25.77,54.25 31.55,54.25 32.25,54.95 32.25,56.2 34.75,58.7 34.75,59.3 35.35,59.9 35.7,59.9 v1(35.85,59.75)
Board_3-+1V8: length 64
  Top w0.2: 29.4,64.18 U13#5.12 29.4,63.6 29.2,63.4 28.35,63.4 27.88,63.87 27.88,67.56 v1(28.02,67.7) ; 33.6,52.25 34.65,52.25 C19.2 34.55,51.75 33.6,51.75 ; 32,51.25 31.65,51.25 30.45,52.45 v1(30.25,52.45) ; C22#9.2 29.3,57.5 v1(28.5,56.7) ; v1(24.7,48.3) C6#2.1 24.77,49.32 U4#6.1 24.77,52.04 25.38,52.65 U4#6.5 25.52,52.65 U4#6.6 ; v1(29.34,58.85) 29.45,58.85 29.6,59 U11#9.1 ; v1(21.1,51.75) 21.12,51.72 C8#4.2 22.12,51.65 U4#6.10
  Top w0.3: v1(28.5,56.7) R2#5.2 28.7,55 R3#4.2 ; 30.45,71.1 R19.1 30.45,71.1 31.95,69.6 v1(32.1,69.6) 33.5,68.2 U10#8.A7 ; 34.85,53.05 34.3,53.6 U5#5.8 34.3,54.7 35.1,55.5 U5#5.2 ; 34.85,53.05 35.4,53.05 35.9,53.55 U5#5.6 ; 34.85,53.05 C19.2 ; v1(17.85,50.05) 17.82,50.07 C9#8.2 17.8,51.02 IC6#2.8 ; v1(14.85,54.05) C7.1 16.3,54.5 IC6#2.5 ; U10#8.B7 U10#8.A7 ; U10#8.A7 U10#8.A8 ; v1(28.02,67.7) 25.47,67.7 C17#8.2 24.9,67.05 v1(23.85,66) ; R9#5.2 29.35,48.4 v1(29.35,48.2) 29.35,48.27 R10#7.2 ; IC6#2.12 v1(20.5,53.5)
  Top w0.5: v1(37.35,52.8) C15.1 35.65,52.05 C19.2
  Bottom w0.2: v1(28.5,56.7) 28.5,57.3 29.34,58.14 v1(29.34,58.85)
  Bottom w0.3: v1(23.85,66) IC4#8.11 ; v1(28.05,69.6) 28.02,69.57 v1(28.02,67.7) ; v1(17.85,77.5) 17.25,78.1 TP8.1
  vias: v2(32.3,73.8)
Board_3-+5V: length 5
  Top w0.3: 23.4,64.4 23.75,64.75 v3(23.75,65.2) 23.8,65.2 C18#4.1
  Bottom w0.3: IC4#8.9 24.55,64.4 v3(23.75,65.2) IC4#8.10
Board_3-/C1: length 1.6
  Top w0.2: C11.1 31.75,49.55 32.55,50.35 32.55,50.75
Board_3-/D2: length 4.7
  Top w0.25: R6#2.1 36.9,80.81 36.43,81.28 35.57,81.28 35.2,80.9 U2#4.3
Board_3-/G2: length 2.2
  Top w0.2: U2#4.5 U2#4.6 31.3,79.9 30.7,79.3 R4#9.2
Board_3-/ISET: length 4.5
  Top w0.3: R5#6.2 18.8,69.4 19.7,68.5 20.55,68.5 21.1,69.05 21.35,69.05 21.55,69.25 IC5#9.5
Board_3-/MOTOR_OUT+: length 3.2
  Top w0.3: U6#3.9 14.92,70.22 M1#9.1
Board_3-/MOTOR_OUT-: length 4.6
  Top w0.3: M1#9.2 12.5,71.44 12.5,72.2 13.1,72.8 13.5,72.8 13.65,72.65 U6#3.6
Board_3-/SW: length 2.9
  Top w0.3: L3#5.2 20.05,60.11 20.05,60.9 20.1,60.95 IC3#2.5
Board_3-/TOUCH_HIGH_INT-DC: length 31.4
  Top w0.15: v1(11.55,68.85) U12#6.10 ; 29.2,61.7 29.2,62.66 29.91,63.37 29.91,66.1 30.8,67 U13#5.21 ; 29.2,61.7 29.5,61.4 29.9,61.4 30,61.3 ; 29.2,61.7 28.9,62 28.45,62 v1(28.1,62.35) ; U11#9.10 30,61.3 ; 30,61.3 29.97,61.32
  Bottom w0.15: v1(11.55,68.85) 11.55,68.85 13.65,66.75 17.4,66.75 20.5,63.65 22.36,63.65 24.81,61.2 26.3,61.2 27.45,62.35 v1(28.1,62.35)
Board_3-/TOUCH_HIGH_RST-SDA: length 33
  Top w0.15: v1(31.32,61.38) 31.2,61.26 U11#9.7 ; 31.25,61.46 31.25,63.07 30.96,63.36 30.96,65.67 31.09,65.8 U13#5.18 ; 11.53,66.75 U12#6.7
  Bottom w0.15: v1(11.55,66.73) 11.55,65.9 12.75,64.7 15.4,64.7 15.95,64.15 15.95,62.55 20.05,58.45 23.45,58.45 24.4,59.4 29.15,59.4 31.13,61.38 v1(31.32,61.38)
Board_3-/TOUCH_HIGH_SCL-CS: length 32.9
  Top w0.15: U13#5.20 30.9,66.6 30.26,65.96 30.26,63.21 29.9,62.85 v1(29.9,62.55) 29.9,62 30.4,61.5 U11#9.9 ; v1(11.53,68.13) 10.07,68.13 U12#6.9
  Bottom w0.15: v1(11.53,68.13) 11.67,68.13 12.6,67.2 12.6,66.8 13.2,66.2 17.15,66.2 19.3,64.05 19.3,61.35 19.95,60.7 27.85,60.7 28.55,61.4 28.55,61.79 29.3,62.55 v1(29.9,62.55)
Board_3-/TOUCH_HIGH_SDA-SCL: length 32.6
  Top w0.15: v1(11.55,67.43) 11.53,67.45 U12#6.8 ; U11#9.8 30.8,61.87 v1(30.62,62.05) 30.61,62.06 30.61,65.81 30.99,66.2 U13#5.19
  Bottom w0.15: v1(11.55,67.43) 11.67,67.43 12.15,66.95 12.15,66.35 12.95,65.55 16.85,65.55 18.65,63.75 18.65,60.95 19.35,60.25 28.75,60.25 30.54,62.05 v1(30.62,62.05)
Board_3-/~{RESET_BAT_SUP}: length 7.6
  Top w0.3: v4(23.4,75) 23.1,75.3 U3.1 ; IC2#4.3 28.05,74.1 25.58,74.1 v4(24.98,74.7)
  Bottom w0.3: v4(24.98,74.7) 24.68,75 v4(23.4,75)
Board_3-BAT_MON: length 16.5
  Top w0.3: R6#2.2 37.85,78 38.7,78.85 v1(38.7,78.9) ; R7#5.1 36.77,77.87 ; v4(42.72,69.67) U10#8.J8
  Bottom w0.3: v4(42.72,69.67) 42.8,69.75 42.8,72.4 42.2,73 42.2,74.3 40,76.5 40,77.6 v1(38.7,78.9) 37.95,78.9 TP3#4.1
Board_3-BAT_MON_EN: length 23.8
  Top w0.2: 34.4,80.4 U2#4.2 33.22,80.4 32.95,80.67 32.95,82.3 R8#7.2
  Top w0.3: v4(43.5,67.7) 43.5,67.8 U10#8.J7 ; v4(36.2,80.72) 35.71,80.72 35.4,80.4 34.4,80.4 ; v1(43.7,71.7) 42.4,73 v1(41.2,73)
  Bottom w0.3: v4(36.2,80.72) 36.54,80.37 36.54,77.56 40.1,74.01 40.1,73.71 40.6,73.21 40.6,73.21 40.8,73 v1(41.2,73) ; v4(43.5,67.7) 43.7,67.9 v1(43.7,71.7)
Board_3-BMP581_INT: length 30.7
  Top w0.2: v1(23.75,53.35) 24.32,53.35 U4#6.7 ; U10#8.G3 40.5,64.2 v1(40.5,64.4)
  Bottom w0.2: v1(40.5,64.4) 39.7,63.6 39.7,58.58 36.7,55.58 36.7,54.7 35.4,53.4 33.6,53.4 30.2,50 25.1,50 23.75,51.35 v1(23.75,53.35)
Board_3-BTN_1: length 45.4
  Top w0.3: U10#8.H3 41.99,64.13 v1(41.59,64.54) ; S1#7.2 12.91,56.77 14.05,57.9 14.75,57.9 v1(15.85,56.8)
  Bottom w0.3: v1(41.59,64.54) 41.59,59.74 37.15,55.3 37.15,54.3 34.15,51.3 33.4,51.3 31.4,49.3 19.9,49.3 15.85,53.35 v1(15.85,56.8)